# Altium PCB LimeSDR-QPCIe_1v2.PcbDoc (part 8 of 21) (continued)
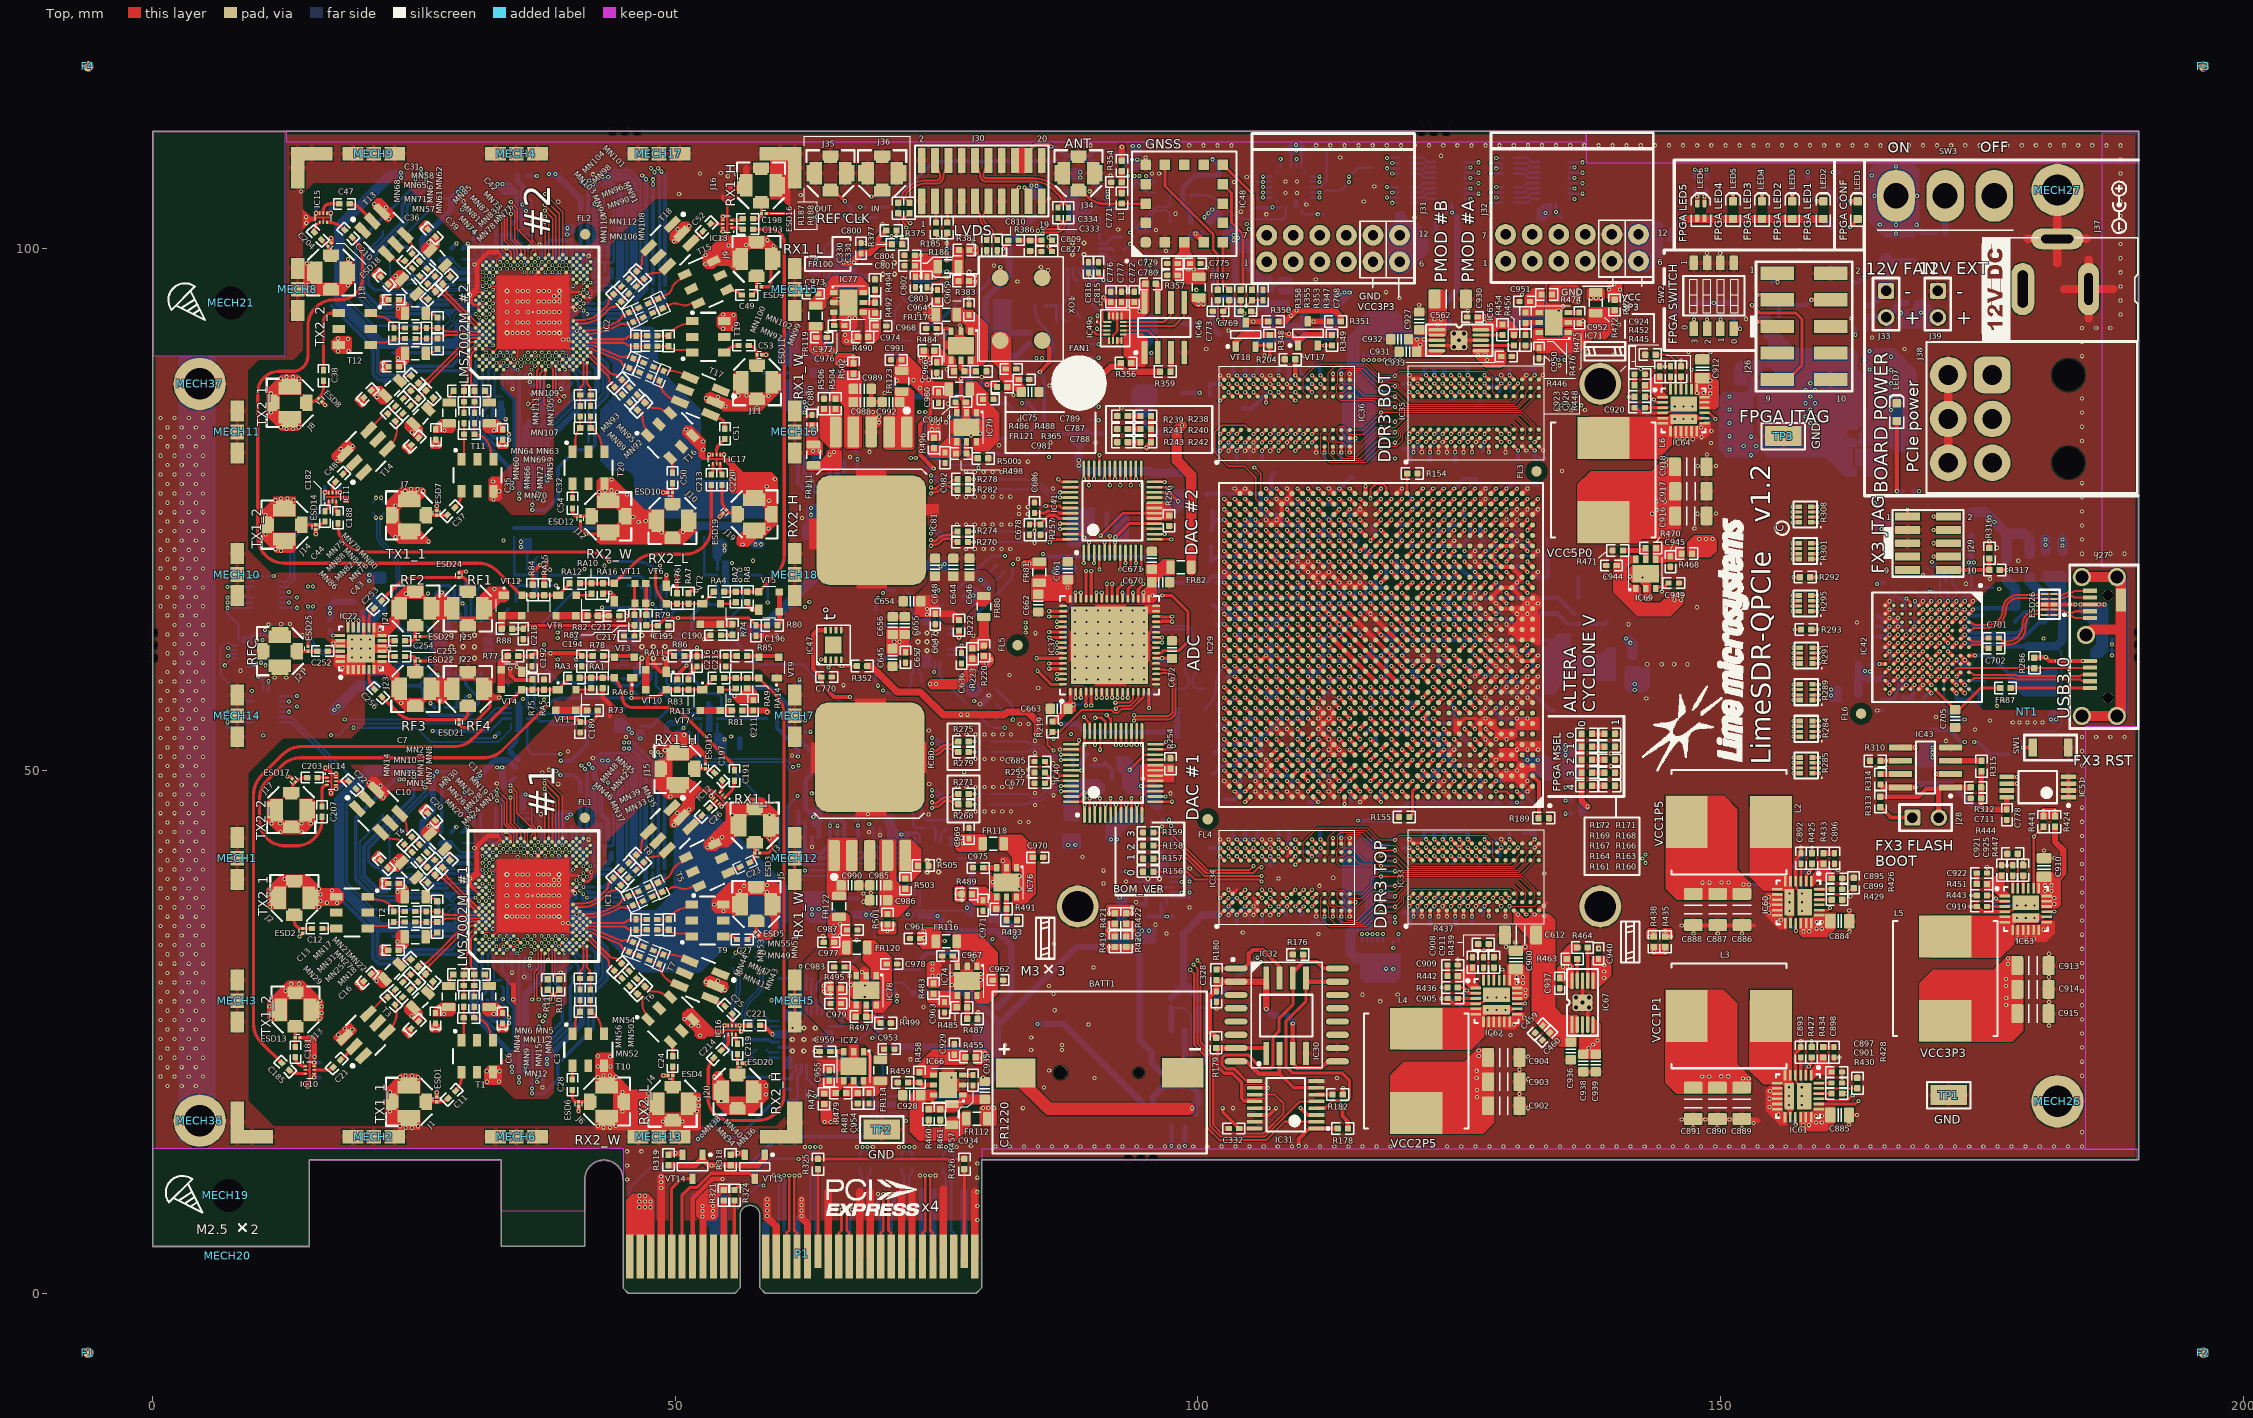
[diagram p0: Top view]
## Nets (pads, with @x,y where several pads share a name; then routed paths per layer and width w, separated by ;. In a path a pad name is that pad's centre, name@x,y a point inside that pad or via, vN(x,y) a via of type N, cw(c..) or ccw(c..) an arc to the next point about the centre after c; other vN are vias at no path point) (continued)
  Top w0.4: v2(126.525,48) IC29.A6@127.025,47.5
  L10 w0.1: v1(117.525,39.875) 119.925,39.875 120.6,40.55 120.6,42.9 120.775,43.075 122.825,43.075 123.075,43.325 123.075,43.57 123.28,43.775 123.75,43.775 123.925,43.95 123.925,44.725 125.01,45.81 125.01,46 125.01,46.026 ccw(c124.706,46.026) 124.706,46.33 124.207,46.33 cw(c124.207,46.634) 123.903,46.634 cw(c124.207,46.634) 124.207,46.938 125.01,46.938 125.813,46.938 ccw(c125.813,47.242) 126.117,47.242 ccw(c125.813,47.242) 125.813,47.546 125.314,47.546 cw(c125.314,47.85) 125.01,47.85 125.01,49.11 125.35,49.45 126.825,49.45 127.175,49.1 127.175,48.175 127,48 v2(126.525,48)
  Bottom w0.254: v1(117.525,39.875) R195.8@118.2,39.875
DDR3_TOP_BA0: IC29.A10 IC33.M2 IC34.M2 R192.8 | length 35.5
  Top w0.309: v1(110.925,37) IC34.M2@111.325,37.4 ; v1(129.025,37.825) IC33.M2@129.425,37.425
  Top w0.4: v2(122.525,48) IC29.A10@123.025,47.5
  L6 w0.1: v1(110.925,37) 111.075,36.85 116.65,36.85 117.425,36.075 118.275,36.075 v1(118.875,35.475) 119.525,35.475 120.659,36.609 127.809,36.609 v1(129.025,37.825) 125.85,41 125.355,41 124.575,41.78 124.575,41.97 124.37,42.175 124.18,42.175 123.875,42.48 123.875,46.65 v2(122.525,48)
  Bottom w0.254: R192.8@118.2,35.475 v1(118.875,35.475) v1@118.9,35.475
DDR3_TOP_BA1: IC29.F15 IC33.N8 IC34.N8 R197.5 | length 57.3
  Top w0.309: v1(111.725,42.6) IC34.N8@112.125,42.2 ; IC33.N8@130.225,42.225 v1(130.625,42.625)
  Top w0.4: v2(117.525,52) IC29.F15@118.025,52.5
  L6 w0.1: v1(111.725,42.6) 111.5,42.375 111.5,40.475 109.775,38.75 109.775,36.855 110.18,36.45 115.625,36.45 v1(117.7,34.375) 118.05,34.025 127.886,34.025 130.625,36.764 v1(130.625,42.625) 130.625,46 128.925,47.7 128.925,48.095 126.47,50.55 119.48,50.55 118.03,52 v2(117.525,52)
  Bottom w0.254: R197.5@117.7,33.7 v1(117.7,34.375) v1@117.7,34.4
DDR3_TOP_BA2: IC29.E15 IC33.M3 IC34.M3 R197.8 | length 47
  Top w0.309: v1(110.925,37.8) IC34.M3@111.325,38.2 ; IC33.M3@129.425,38.225 v1(129.825,37.825)
  Top w0.4: IC29.E15@118.025,51.5 v2(118.525,51)
  L6 w0.1: v1(110.925,37.8) 110.575,37.45 110.575,36.855 110.78,36.65 115.975,36.65 118.25,34.375 v1(119.2,34.375) 120.15,35.325 126.32,35.325 127.405,36.409 127.914,36.409 128.88,37.375 129.375,37.375 v1(129.825,37.825) 129.825,41.5 129.425,41.9 129.425,45.95 127.616,47.759 127.616,48.416 125.683,50.35 119.175,50.35 v2(118.525,51)
  Bottom w0.254: R197.8@119.2,33.7 v1(119.2,34.375) v1@119.2,34.4
DDR3_TOP_CASN: IC29.C9 IC33.K3 IC34.K3 R197.4 | length 46.6
  Top w0.309: IC34.K3@109.725,38.2 v1(110.125,38.6) ; v1(127.425,37.825) IC33.K3@127.825,38.225
  Top w0.4: v2(123.525,50) IC29.C9@124.025,49.5
  L3 w0.1: v1(117.2,34.375) 117.205,34.375 117.555,34.725 124.675,34.725 125.875,35.925 125.875,36.25 126.3,36.675 126.8,36.675 127.05,36.925 127.05,37.45 v1(127.425,37.825)
  L8 w0.1: v1(110.125,38.6) 110.5,38.225 113.35,38.225 v1(117.2,34.375) ; v2(123.525,50) 123.525,49.552 123.925,49.152 123.925,48.45 124.125,48.25 124.125,47.65 125.375,46.4 125.375,41.07 122.275,37.97 122.275,36.88 122.675,36.48 122.675,36.425 122.675,35.914 122.88,35.709 126.604,35.709 127.775,36.88 127.775,37.475 v1(127.425,37.825)
  Bottom w0.254: R197.4@117.2,33.7 v1(117.2,34.375) v1@117.2,34.4
DDR3_TOP_CK_N: IC29.M8 IC33.K7 IC34.K7 R194.2 R199.2 | length 44.1
  Top w0.309: v1(109.325,41) IC34.K7@109.725,41.4 ; v1(127.425,41.825) IC33.K7@127.825,41.425
  Top w0.4: IC29.M8@125.025,58.5 v2(125.525,58)
  L3 w0.1: v2(125.525,58) 125.125,57.6 125.125,53.2 125.775,52.55 126.175,52.15 126.175,50.75 126.35,50.575 127.728,50.575 128.084,50.219 128.084,46.051 127.525,45.492 127.525,43.95 127.825,43.65 127.825,42.225 v1(127.425,41.825)
  L10 w0.1: v1(109.325,41) 109.625,41.3 110.3,41.3 112.691,38.909 112.75,38.85 117.992,38.85 118.417,38.425 124.433,38.425 127.125,41.117 127.125,41.525 v1(127.425,41.825)
  Bottom w0.1: R199.2@108.6,40.9 108.95,40.9 109.05,41 v1(109.325,41) ; v1(127.425,41.825) 127.125,41.525 127.125,40.95 R194.2@127.525,40.55
DDR3_TOP_CK_P: IC29.M9 IC33.J7 IC34.J7 R194.1 R199.1 | length 43.8
  Top w0.309: IC34.J7@108.925,41.4 v1(109.325,41.8) ; v1(126.625,41.825) IC33.J7@127.025,41.425
  Top w0.4: IC29.M9@124.025,58.5 v2(124.525,58)
  L3 w0.1: v2(124.525,58) 124.925,57.6 124.925,53.117 125.975,52.067 125.975,50.667 126.267,50.375 127.645,50.375 127.884,50.136 127.884,46.134 127.325,45.575 127.325,43.95 127.025,43.65 127.025,42.475 126.625,42.075 v1(126.625,41.825)
  L10 w0.1: v1(109.325,41.8) 109.625,41.5 110.383,41.5 112.833,39.05 118.075,39.05 118.5,38.625 124.35,38.625 126.925,41.2 126.925,41.525 v1(126.625,41.825)
  Bottom w0.1: R199.1@108.6,41.9 108.95,41.9 109.05,41.8 v1(109.325,41.8) ; R194.1@126.525,40.55 126.925,40.95 126.925,41.525 v1(126.625,41.825)
DDR3_TOP_CKE: IC29.A18 IC33.K9 IC34.K9 R196.1 | length 33.2
  Top w0.309: v1(109.325,43.4) IC34.K9@109.725,43 ; v1(127.425,43.425) IC33.K9@127.825,43.025
  Top w0.4: v2(114.525,48) IC29.A18@115.025,47.5
  L10 w0.1: v2(114.525,48) 114.525,44.071 115.475,43.121 115.475,41.43 117.38,39.525 117.7,39.525 117.85,39.675 119.225,39.675 119.375,39.525 124.15,39.525 126.275,41.65 126.275,42.77 126.93,43.425 v1(127.425,43.425)
  L8 w0.1: v1(109.325,43.4) 113,47.075 113,48.275 113.225,48.5 114.025,48.5 v2(114.525,48)
  Bottom w0.4: v2(114.525,48) 114.675,47.85 R196.1@114.675,47.025
DDR3_TOP_CSN: IC29.J15 IC33.L2 IC34.L2 R197.7 | length 54.3
  Top w0.309: v1(110.125,37.8) IC34.L2@110.525,37.4 ; IC33.L2@128.625,37.425 v1(129.025,37.025)
  Top w0.4: v2(117.525,56) IC29.J15@118.025,55.5
  L3 w0.1: v1(110.125,37.8) 109.775,37.45 109.775,36.717 112.667,33.825 116.225,33.825 116.425,33.625 118.1,33.625 v1(118.7,33.025) 119.125,33.025 120.1,34 125.391,34 127.041,35.65 127.925,35.65 128.212,35.937 128.212,36.213 v1(129.025,37.025) 129.25,37.025 129.625,36.65 129.945,36.65 130.175,36.88 130.175,37.225 129.975,37.425 129.73,37.425 129.425,37.73 129.425,37.95 126.2,41.175 126.2,42.942 126.375,43.117 126.375,43.85 126.875,44.35 126.875,49.145 123.67,52.35 122.675,52.35 119.625,55.4 118.125,55.4 v2(117.525,56)
  Bottom w0.254: v1(118.7,33.025) R197.7@118.7,33.7
DDR3_TOP_DM0: IC29.B14 IC33.E7 | length 10.4
  Top w0.309: v1(123.425,41.825) IC33.E7@123.825,41.425
  Top w0.4: IC29.B14@119.025,48.5 v2(119.525,49)
  L6 w0.1: v2(119.525,49) 119.1,48.575 119.1,47.7 123.05,43.75 123.05,42.2 v1(123.425,41.825)
DDR3_TOP_DM1: IC29.B19 IC33.D3 | length 19.8
  Top w0.309: v1(122.625,37.825) IC33.D3@123.025,38.225
  Top w0.4: v2(113.525,48) IC29.B19@114.025,48.5
  L3 w0.1: v2(113.525,48) 113.363,47.838 113.363,44.628 114.075,43.916 114.075,39.8 116.75,37.125 117.875,37.125 118.175,37.425 122.225,37.425 v1(122.625,37.825)
DDR3_TOP_DM2: IC29.C24 IC34.E7 | length 11.2
  Top w0.309: v1(105.325,41.8) IC34.E7@105.725,41.4
  Top w0.4: IC29.C24@109.025,49.5 v2(109.525,50)
  L8 w0.1: v1(105.325,41.8) 105.675,42.15 105.675,44.655 108.875,47.855 108.875,49.35 v2(109.525,50)
DDR3_TOP_DM3: IC29.D25 IC34.D3 | length 15.1
  Top w0.309: v1(104.525,37.8) IC34.D3@104.925,38.2
  Top w0.4: IC29.D25@108.025,50.5 v2(108.525,50)
  L8 w0.1: v1(104.525,37.8) 104.95,38.225 104.95,44.213 108.15,47.413 108.15,49.175 108.525,49.55 v2(108.525,50)
DDR3_TOP_DQ0: IC29.C15 IC33.E3 | length 19.8
  Top w0.309: v1(123.425,37.825) IC33.E3@123.825,38.225
  Top w0.4: v2(117.525,50) IC29.C15@118.025,49.5
  L3 w0.1: v2(117.525,50) 117.525,50.35 117.65,50.475 120.545,50.475 122.37,48.65 123.7,48.65 124.025,48.325 124.025,43.8 123.775,43.55 123.775,41.625 123.425,41.275 v1(123.425,37.825)
DDR3_TOP_DQ1: IC29.C16 IC33.F7 | length 19.3
  Top w0.309: v1(124.225,41.825) IC33.F7@124.625,41.425
  Top w0.4: v2(116.525,49) IC29.C16@117.025,49.5
  L6 w0.1: v2(116.525,49) 116.9,48.625 116.9,48.1 116.9,47.99 ccw(c117.094,47.99) 117.094,47.796 cw(c117.094,47.492) 117.398,47.492 cw(c117.094,47.492) 117.094,47.188 116.9,47.188 116.725,47.188 ccw(c116.725,46.884) 116.421,46.884 ccw(c116.725,46.884) 116.725,46.58 116.9,46.58 cw(c116.9,46.276) 117.204,46.276 cw(c116.9,46.276) 116.9,45.972 116.725,45.972 ccw(c116.725,45.668) 116.421,45.668 ccw(c116.725,45.668) 116.725,45.364 ; 116.679,45.364 cw(c116.679,45.143) 116.9,45.143 116.9,45 116.9,44.845 119.225,42.52 119.225,41.85 119.875,41.2 122.733,41.2 123.658,40.275 124.25,40.275 124.5,40.525 124.5,41.55 v1(124.225,41.825)
DDR3_TOP_DQ2: IC29.C11 IC33.F2 | length 19.6
  Top w0.309: v1(124.225,37.025) IC33.F2@124.625,37.425
  Top w0.4: v2(121.525,50) IC29.C11@122.025,49.5
  L3 w0.1: v2(121.525,50) 122.15,49.375 123.645,49.375 124.37,48.65 125,48.65 125.175,48.475 125.175,47.845 125.75,47.27 125.75,44.133 125.417,43.8 124.9,43.8 124.675,43.575 124.675,41.75 126.45,39.975 126.45,39.65 124.675,37.875 124.675,37.475 v1(124.225,37.025)
DDR3_TOP_DQ3: IC29.A13 IC33.F8 | length 19.3
  Top w0.309: v1(124.225,42.625) IC33.F8@124.625,42.225
  Top w0.4: v2(119.525,48) IC29.A13@120.025,47.5
  L6 w0.1: v2(119.525,48) 119.525,48.2 119.975,48.65 124.38,48.65 126.175,46.855 126.175,46.7 126.175,46.19 cw(c125.871,46.19) 125.871,45.886 125.838,45.886 ccw(c125.838,45.582) 125.534,45.582 ccw(c125.838,45.582) 125.838,45.278 126.175,45.278 126.432,45.278 cw(c126.432,44.974) 126.736,44.974 cw(c126.432,44.974) 126.432,44.67 126.175,44.67 125.838,44.67 ccw(c125.838,44.366) 125.534,44.366 ccw(c125.838,44.366) 125.838,44.062 126.175,44.062 126.479,44.062 cw(c126.479,43.758) 126.783,43.758 cw(c126.479,43.758) 126.479,43.454 ccw(c126.479,43.15) 126.175,43.15 126.175,42.48 125.87,42.175 124.675,42.175 v1(124.225,42.625)
DDR3_TOP_DQ4: IC29.D17 IC33.H3 | length 19.3
  Top w0.309: v1(125.825,37.825) IC33.H3@126.225,38.225
  Top w0.4: IC29.D17@116.025,50.5 v2(116.525,50)
  L6 w0.1: v2(116.525,50) 116.175,49.65 116.175,45.287 118.525,42.937 118.525,42.23 119.755,41 122.65,41 v1(125.825,37.825)
DDR3_TOP_DQ5: IC29.E17 IC33.H8 | length 19.7
  Top w0.309: v1(125.825,42.625) IC33.H8@126.225,42.225
  Top w0.4: IC29.E17@116.025,51.5 v2(116.525,52)
  L3 w0.1: v2(116.525,52) 117,51.525 121.3,51.525 121.45,51.375 122.645,51.375 123.445,50.575 123.728,50.575 123.953,50.35 124.67,50.35 126.175,48.845 126.175,47.7 126.175,47.592 ccw(c126.371,47.592) 126.371,47.396 cw(c126.371,47.092) 126.675,47.092 cw(c126.371,47.092) 126.371,46.788 ccw(c126.371,46.592) 126.175,46.592 126.175,45.975 126.175,45.7 126.175,45.091 ccw(c126.371,45.091) 126.371,44.895 cw(c126.371,44.591) 126.675,44.591 cw(c126.371,44.591) 126.371,44.287 ccw(c126.371,44.091) 126.175,44.091 126.175,43.679 126.175,43.375 126.175,43.2 125.825,42.85 v1(125.825,42.625)
DDR3_TOP_DQ6: IC29.D12 IC33.G2 | length 19.7
  Top w0.309: v1(125.025,37.025) IC33.G2@125.425,37.425
  Top w0.4: IC29.D12@121.025,50.5 v2(121.525,51)
  L3 w0.1: v2(121.525,51) 122,51 122.4,50.6 123.125,50.6 123.375,50.35 123.67,50.35 124.37,49.65 124.925,49.65 125.147,49.428 125.147,48.872 125.975,48.045 125.975,44.075 125.425,43.525 125.425,41.375 126.65,40.15 126.65,39.375 125.425,38.15 125.425,37.425 v1(125.025,37.025)
DDR3_TOP_DQ7: IC29.A14 IC33.H7 | length 19.3
  Top w0.309: v1(125.825,41.825) IC33.H7@126.225,41.425
  Top w0.4: v2(118.525,48) IC29.A14@119.025,47.5
  L6 w0.1: v2(118.525,48) 118.525,48.495 119.38,49.35 124.675,49.35 127.025,47 127.025,46.725 cw(c126.721,46.725) 126.721,46.421 ccw(c126.721,46.117) 126.417,46.117 ccw(c126.721,46.117) 126.721,45.813 127.025,45.813 127.37,45.813 cw(c127.37,45.509) 127.674,45.509 cw(c127.37,45.509) 127.37,45.205 127.329,45.205 ccw(c127.329,44.901) 127.025,44.901 127.025,43.85 127.025,42.53 126.77,42.275 126.275,42.275 v1(125.825,41.825)
DDR3_TOP_DQ8: IC29.B17 IC33.D7 | length 19.9
  Top w0.309: v1(122.625,41.825) IC33.D7@123.025,41.425
  Top w0.4: IC29.B17@116.025,48.5 v2(116.525,48)
  L3 w0.1: v2(116.525,48) 116.1,48.425 116.1,49.4 116.35,49.65 118.37,49.65 118.645,49.375 119.655,49.375 122.2,46.83 122.2,42.505 121.97,42.275 121.625,42.275 121.375,42.025 121.375,40.75 121.875,40.25 122.4,40.25 122.825,40.675 122.825,41.625 v1(122.625,41.825)
DDR3_TOP_DQ9: IC29.C17 IC33.C3 | length 19.6
  Top w0.309: v1(121.825,37.825) IC33.C3@122.225,38.225
  Top w0.4: v2(115.525,50) IC29.C17@116.025,49.5
  L3 w0.1: v2(115.525,50) 115.525,49 114.875,48.35 114.875,46.303 116.5,44.678 116.5,42.023 117.298,41.225 117.67,41.225 117.875,41.02 117.875,40.775 118.625,40.025 119.35,40.025 120.275,40.95 120.875,40.95 122.05,39.775 122.05,38.05 v1(121.825,37.825)
DDR3_TOP_DQ10: IC29.A16 IC33.C8 | length 19.7
  Top w0.309: v1(121.825,42.625) IC33.C8@122.225,42.225
  Top w0.4: IC29.A16@117.025,47.5 v1(117.525,47)
  L3 w0.1: v1(117.525,47) 117.225,47 116.875,47.35 116.875,49.275 117.025,49.425 118.025,49.425 118.175,49.275 118.175,48.855 118.38,48.65 119.975,48.65 120.175,48.45 120.175,47.855 120.38,47.65 121.097,47.65 122,46.747 122,46.35 121.475,45.825 121.475,45.4 122,44.875 122,44.4 121.85,44.25 119.7,44.25 119.512,44.062 119.512,43.213 119.75,42.975 121.2,42.975 121.55,42.625 v1(121.825,42.625)
DDR3_TOP_DQ11: IC29.C14 IC33.C2 | length 19.6
  Top w0.309: v1(121.825,37.025) IC33.C2@122.225,37.425
  Top w0.4: v2(118.525,50) IC29.C14@119.025,49.5
  L3 w0.1: v2(118.525,50) 118.875,49.65 120.575,49.65 120.875,49.35 120.875,48.45 120.975,48.35 121.67,48.35 121.95,48.07 121.95,47.475 122.5,46.925 122.5,44.075 123.075,43.5 123.075,40.425 122.675,40.025 122.675,39.375 123.075,38.975 123.075,36.9 122.825,36.65 121.975,36.65 121.825,36.8 v1(121.825,37.025)
DDR3_TOP_DQ12: IC29.F18 IC33.A7 | length 19.7
  Top w0.309: v1(120.225,41.825) IC33.A7@120.625,41.425
  Top w0.4: v2(114.525,53) IC29.F18@115.025,52.5
  L3 w0.1: v2(114.525,53) 114.875,53 115.3,53.425 115.595,53.425 115.875,53.145 115.875,48.855 115.075,48.055 115.075,46.4 116.712,44.762 116.712,42.093 117.381,41.425 117.85,41.425 118.475,40.8 119.7,40.8 120.225,41.325 v1(120.225,41.825)
DDR3_TOP_DQ13: IC29.G18 IC33.A2 | length 19.2
  Top w0.309: v1(120.225,37.025) IC33.A2@120.625,37.425
  Top w0.4: IC29.G18@115.025,53.5 v2(115.525,53)
  L6 w0.1: v2(115.525,53) 115.9,52.625 115.9,45.279 118.325,42.854 118.325,39.02 120.225,37.12 v1(120.225,37.025)
DDR3_TOP_DQ14: IC29.B18 IC33.B8 | length 19.8
  Top w0.309: v1(121.025,42.625) IC33.B8@121.425,42.225
  Top w0.4: IC29.B18@115.025,48.5 v2(115.525,48)
  L3 w0.1: v2(115.525,48) 115.925,48 116.675,47.25 116.675,46.85 116.925,46.6 117.975,46.6 118.275,46.3 118.275,45.8 ccw(c118.579,45.8) 118.579,45.496 120.479,45.496 cw(c120.479,45.192) 120.783,45.192 cw(c120.479,45.192) 120.479,44.888 118.275,44.888 117.604,44.888 ccw(c117.604,44.584) 117.3,44.584 ccw(c117.604,44.584) 117.604,44.28 118.275,44.28 118.617,44.28 cw(c118.617,43.976) 118.921,43.976 cw(c118.617,43.976) 118.617,43.672 118.579,43.672 ccw(c118.579,43.368) 118.275,43.368 118.275,42.525 118.275,41.975 118.575,41.675 119.5,41.675 120,42.175 120.575,42.175 v1(121.025,42.625)
DDR3_TOP_DQ15: IC29.A19 IC33.A3 | length 19.7
  Top w0.309: v1(120.225,37.825) IC33.A3@120.625,38.225
  Top w0.4: v1(114.025,46.793) IC29.A19@114.025,47.5
  L3 w0.1: v1(114.025,46.793) 114.025,45.425 114.6,44.85 115.275,44.85 116.05,44.075 116.05,42.95 116.05,42.282 cw(c115.746,42.282) 115.746,41.978 115.37,41.978 ccw(c115.37,41.674) 115.066,41.674 ccw(c115.37,41.674) 115.37,41.37 116.05,41.37 116.73,41.37 cw(c116.73,41.066) 117.034,41.066 cw(c116.73,41.066) 116.73,40.762 116.05,40.762 115.37,40.762 ccw(c115.37,40.458) 115.066,40.458 ccw(c115.37,40.458) 115.37,40.154 115.746,40.154 cw(c115.746,39.85) 116.05,39.85 116.05,39.455 117.88,37.625 120.025,37.625 v1(120.225,37.825)
DDR3_TOP_DQ16: IC29.D18 IC34.E3 | length 19.7
  Top w0.309: IC34.E3@105.725,38.2 v1(106.125,37.8)
  Top w0.4: v2(114.525,50) IC29.D18@115.025,50.5
  L3 w0.1: v1(106.125,37.8) 106.125,37.305 106.78,36.65 107.07,36.65 107.35,36.93 107.35,37.447 112.375,42.472 112.375,44.5 112.963,45.088 112.963,48.933 113.43,49.4 113.925,49.4 v2(114.525,50)
DDR3_TOP_DQ17: IC29.D19 IC34.F7 | length 19.1
  Top w0.309: v1(106.125,41.8) IC34.F7@106.525,41.4
  Top w0.4: v2(113.525,51) IC29.D19@114.025,50.5
  L6 w0.1: v1(106.125,41.8) 106.525,42.2 107.1,42.2 107.325,42.425 107.325,43.825 107.575,44.075 114.625,44.075 114.875,44.325 114.875,49.155 113.525,50.505 v2(113.525,51)
DDR3_TOP_DQ18: IC29.A21 IC34.F2 | length 19.8
  Top w0.309: IC34.F2@106.525,37.4 v1(106.925,37)
  Top w0.4: v2(111.525,48) IC29.A21@112.025,47.5
  L3 w0.1: v1(106.925,37) 106.925,37.305 108.37,38.75 108.37,39.22 108.628,39.478 109.097,39.478 111.375,41.755 111.375,43.825 111.1,44.1 111.1,44.275 cw(c111.389,44.275) 111.389,44.564 111.702,44.564 ccw(c111.702,44.868) 112.006,44.868 ccw(c111.702,44.868) 111.702,45.172 111.1,45.172 110.698,45.172 cw(c110.698,45.476) 110.394,45.476 cw(c110.698,45.476) 110.698,45.78 111.1,45.78 111.702,45.78 ccw(c111.702,46.084) 112.006,46.084 ccw(c111.702,46.084) 111.702,46.388 111.1,46.388 110.698,46.388 cw(c110.698,46.692) 110.394,46.692 cw(c110.698,46.692) 110.698,46.996 110.796,46.996 ccw(c110.796,47.3) 111.1,47.3 111.1,47.575 v2(111.525,48)
DDR3_TOP_DQ19: IC29.B21 IC34.F8 | length 19.1
  Top w0.309: v1(106.125,42.6) IC34.F8@106.525,42.2
  Top w0.4: v2(111.525,49) IC29.B21@112.025,48.5
  L6 w0.1: v1(106.125,42.6) 106.125,42.875 105.725,43.275 105.725,43.825 106.375,44.475 114.067,44.475 114.425,44.833 114.425,46.175 114.238,46.362 113.888,46.362 113.675,46.575 113.675,47.345 113.925,47.595 113.925,48.105 112.43,49.6 111.925,49.6 111.525,49.2 v2(111.525,49)
DDR3_TOP_DQ20: IC29.E18 IC34.H3 | length 19.8
  Top w0.309: IC34.H3@108.125,38.2 v1(108.525,37.8)
  Top w0.4: v2(114.525,52) IC29.E18@115.025,51.5
  L3 w0.1: v1(108.525,37.8) 108.8,37.525 109.25,37.525 109.675,37.95 109.675,38.925 112.575,41.825 112.575,44.417 113.163,45.005 113.163,48.143 114.875,49.855 114.875,50.575 114.725,50.725 114.225,50.725 114,50.95 114,51.475 v2(114.525,52)
DDR3_TOP_DQ21: IC29.F19 IC34.H8 | length 19.9
  Top w0.309: v1(107.725,42.6) IC34.H8@108.125,42.2
  Top w0.4: v2(113.525,53) IC29.F19@114.025,52.5
  L3 w0.1: v1(107.725,42.6) 107.325,43 107.325,44.075 ccw(c107.021,44.075) 107.021,44.379 106.738,44.379 cw(c106.738,44.683) 106.434,44.683 cw(c106.738,44.683) 106.738,44.987 107.325,44.987 107.912,44.987 ccw(c107.912,45.291) 108.216,45.291 ccw(c107.912,45.291) 107.912,45.595 107.629,45.595 cw(c107.629,45.899) 107.325,45.899 107.325,46.325 107.325,47.022 108.075,47.772 108.075,47.975 108.075,49.045 108.455,49.425 112.65,49.425 112.925,49.7 112.925,52.75 113.175,53 v2(113.525,53)
DDR3_TOP_DQ22: IC29.B23 IC34.G2 | length 19.6
  Top w0.309: v1(106.925,37.8) IC34.G2@107.325,37.4
  Top w0.4: v2(109.525,49) IC29.B23@110.025,48.5
  L3 w0.1: v1(106.925,37.8) 107.05,37.8 107.875,38.625 107.875,38.875 107.725,39.025 105.6,39.025 105.412,39.212 105.412,39.937 105.775,40.3 109.625,40.3 110.125,40.8 110.125,48.4 v2@109.55,48.975
DDR3_TOP_DQ23: IC29.B24 IC34.H7 | length 19.8
  Top w0.309: v1(107.725,41.8) IC34.H7@108.125,41.4
  Top w0.4: v2(108.525,49) IC29.B24@109.025,48.5
  L3 w0.1: v1(107.725,41.8) 107.5,41.8 107.075,41.375 107.075,40.975 107.55,40.5 108.65,40.5 108.975,40.825 108.975,43.65 ccw(c108.671,43.65) 108.671,43.954 108.549,43.954 cw(c108.549,44.258) 108.245,44.258 cw(c108.549,44.258) 108.549,44.562 108.975,44.562 109.396,44.562 ccw(c109.396,44.866) 109.7,44.866 ccw(c109.396,44.866) 109.396,45.17 108.975,45.17 108.699,45.17 cw(c108.699,45.474) 108.395,45.474 cw(c108.699,45.474) 108.699,45.778 108.975,45.778 109.396,45.778 ccw(c109.396,46.082) 109.7,46.082 ccw(c109.396,46.082) 109.396,46.386 108.975,46.386 108.549,46.386 cw(c108.549,46.69) 108.245,46.69 cw(c108.549,46.69) 108.549,46.994 108.975,46.994 109.396,46.994 ccw(c109.396,47.298) 109.7,47.298 ccw(c109.396,47.298) 109.396,47.602 109.279,47.602 cw(c109.279,47.906) 108.975,47.906 108.975,48.3 108.975,48.825 108.825,48.975 v2@108.55,48.975
DDR3_TOP_DQ24: IC29.C19 IC34.D7 | length 19.1
  Top w0.309: v1(104.525,41.8) IC34.D7@104.925,41.4
  Top w0.4: v2(113.525,50) IC29.C19@114.025,49.5
  L6 w0.1: v1(104.525,41.8) 104.975,42.25 106.27,42.25 106.575,42.555 106.575,43.925 106.925,44.275 114.15,44.275 114.625,44.75 114.625,47 114.125,47.5 114.125,49.4 v2(113.525,50)
DDR3_TOP_DQ25: IC29.D20 IC34.C3 | length 19.7
  Top w0.309: IC34.C3@104.125,38.2 v1(104.525,38.6)
  Top w0.4: v2(112.525,50) IC29.D20@113.025,50.5
  L3 w0.1: v1(104.525,38.6) 104.925,39 104.925,39.35 ccw(c104.621,39.35) 104.621,39.654 104.433,39.654 cw(c104.433,39.958) 104.129,39.958 cw(c104.433,39.958) 104.433,40.262 104.621,40.262 ccw(c104.621,40.566) 104.925,40.566 104.925,41.375 104.925,43.575 104.475,44.025 104.475,44.455 107.875,47.855 107.875,49.25 108.275,49.65 112.175,49.65 v2(112.525,50)
DDR3_TOP_DQ26: IC29.A25 IC34.C8 | length 19.1
  Top w0.309: v1(103.725,42.6) IC34.C8@104.125,42.2
  Top w0.4: v2(107.525,48) IC29.A25@108.025,47.5
  L6 w0.1: v1(103.725,42.6) 103.725,42.35 103.3,41.925 103.3,40.6 102.85,40.15 102,40.15 101.413,40.737 101.413,43.563 102.925,45.075 107.05,45.075 108.538,46.563 108.538,47.412 107.95,48 v2(107.525,48)
DDR3_TOP_DQ27: IC29.D22 IC34.C2 | length 19.7
  Top w0.309: v1(103.725,37.8) IC34.C2@104.125,37.4
  Top w0.4: v2(110.525,51) IC29.D22@111.025,50.5
  L3 w0.1: v1(103.725,37.8) 103.3,38.225 103.3,39.075 ccw(c102.996,39.075) 102.996,39.379 102.904,39.379 cw(c102.904,39.683) 102.6,39.683 cw(c102.904,39.683) 102.904,39.987 102.996,39.987 ccw(c102.996,40.291) 103.3,40.291 103.3,41.025 103.3,43.6 107.175,47.475 107.175,49.145 107.38,49.35 107.653,49.35 108.175,49.872 108.175,50.4 108.375,50.6 110.125,50.6 v2(110.525,51)
DDR3_TOP_DQ28: IC29.C20 IC34.A7 | length 19.2
  Top w0.309: v1(102.125,41.8) IC34.A7@102.525,41.4
  Top w0.4: IC29.C20@113.025,49.5 v2(113.525,49)
  L6 w0.1: v1(102.125,41.8) 102.125,42.105 102.525,42.505 102.525,43.55 103.85,44.875 107.133,44.875 110.175,47.917 110.175,50.145 110.38,50.35 112.67,50.35 112.925,50.095 112.925,49.6 v2(113.525,49)
DDR3_TOP_DQ29: IC29.C21 IC34.A2 | length 19
  Top w0.309: IC34.A2@102.525,37.4 v1(102.925,37.8)
  Top w0.4: v2(111.525,50) IC29.C21@112.025,49.5
  L6 w0.1: v1(102.925,37.8) 104.075,38.95 104.075,43.445 105.305,44.675 108.625,44.675 111.1,47.15 111.1,49.1 111.525,49.525 v2(111.525,50)
DDR3_TOP_DQ30: IC29.D23 IC34.B8 | length 19.7
  Top w0.309: v1(102.925,42.6) IC34.B8@103.325,42.2
  Top w0.4: v2(109.525,51) IC29.D23@110.025,50.5
  L3 w0.1: v1(102.925,42.6) 102.55,42.975 102.55,43.725 ccw(c102.246,43.725) 102.246,44.029 102.094,44.029 cw(c102.094,44.333) 101.79,44.333 cw(c102.094,44.333) 102.094,44.637 102.55,44.637 103.19,44.637 ccw(c103.19,44.941) 103.494,44.941 ccw(c103.19,44.941) 103.19,45.245 102.55,45.245 102.094,45.245 cw(c102.094,45.549) 101.79,45.549 cw(c102.094,45.549) 102.094,45.853 102.246,45.853 ccw(c102.246,46.157) 102.55,46.157 102.55,46.675 102.55,47.45 102.75,47.65 105.67,47.65 106.95,48.93 106.95,49.275 107.325,49.65 107.67,49.65 107.975,49.955 107.975,50.945 108.38,51.35 109.175,51.35 v2@109.55,50.975
DDR3_TOP_DQ31: IC29.C25 IC34.A3 | length 19.8
  Top w0.309: v1(102.125,37.8) IC34.A3@102.525,38.2
  Top w0.4: v2(107.525,50) IC29.C25@108.025,49.5
  L3 w0.1: v1(102.125,37.8) 101.775,37.8 101.275,38.3 101.275,38.725 101.55,39 101.55,46.025 101.55,46.359 cw(c101.854,46.359) 101.854,46.663 101.937,46.663 ccw(c101.937,46.967) 102.241,46.967 ccw(c101.937,46.967) 101.937,47.271 101.854,47.271 cw(c101.854,47.575) 101.55,47.575 101.55,47.942 101.958,48.35 105.375,48.35 107.025,50 v2(107.525,50)
DDR3_TOP_DQS0_N: IC29.J17 IC33.G3 | length 34
  Top w0.309: v1(125.025,37.825) IC33.G3@125.425,38.225
  Top w0.4: v2(115.525,56) IC29.J17@116.025,55.5
  L8 w0.1: v2(115.525,56) 115.525,56.275 115.4,56.4 115.2,56.4 115.075,56.275 115.075,54.875 115.4,54.55 123.753,54.55 124.125,54.178 124.125,52.8 124.375,52.55 125.833,52.55 126.105,52.278 126.105,51.147 126.1,51.142 126.1,47.533 127.65,45.983 127.65,44.225 128.35,43.525 128.35,41.367 128.008,41.025 127.05,41.025 124.725,38.7 124.725,38.125 v1(125.025,37.825)
DDR3_TOP_DQS0_P: IC29.K17 IC33.F3 | length 34.3
  Top w0.309: v1(124.225,37.825) IC33.F3@124.625,38.225
  Top w0.4: v2(115.525,57) IC29.K17@116.025,56.5
  L8 w0.1: v2(115.525,57) 115.525,56.725 115.4,56.6 115.117,56.6 114.875,56.358 114.875,54.792 115.317,54.35 123.67,54.35 123.925,54.095 123.925,52.717 124.292,52.35 125.75,52.35 125.905,52.195 125.905,51.23 125.9,51.225 125.9,47.45 127.45,45.9 127.45,44.142 128.15,43.442 128.15,41.45 127.925,41.225 126.967,41.225 124.525,38.783 124.525,38.125 v1(124.225,37.825)
DDR3_TOP_DQS1_N: IC29.L16 IC33.B7 | length 36.7
  Top w0.309: v1(121.025,41.825) IC33.B7@121.425,41.425
  Top w0.4: v2(116.525,58) IC29.L16@117.025,57.5
  L10 w0.1: v2(116.525,58) 116.925,57.6 123.703,57.6 124.075,57.228 124.075,55.808 124.525,55.358 124.525,54.505 125.405,53.625 128.775,53.625 129.1,53.3 129.1,47.117 127.433,45.45 125.708,45.45 124.325,44.067 124.325,43.82 124.575,43.57 124.575,41.68 124.325,41.43 124.325,41.042 123.983,40.7 121.792,40.7 121.325,41.167 121.325,41.525 v1(121.025,41.825)
DDR3_TOP_DQS1_P: IC29.K16 IC33.C7 | length 35.7
  Top w0.309: v1(121.825,41.825) IC33.C7@122.225,41.425
  Top w0.4: v2(116.525,57) IC29.K16@117.025,56.5
  L10 w0.1: v2(116.525,57) 116.925,57.4 123.62,57.4 123.875,57.145 123.875,55.725 124.325,55.275 124.325,54.422 125.322,53.425 128.692,53.425 128.9,53.217 128.9,47.2 127.35,45.65 125.625,45.65 124.125,44.15 124.125,43.82 123.875,43.57 123.875,41.68 124.125,41.43 124.125,41.125 123.9,40.9 121.875,40.9 121.525,41.25 121.525,41.525 v1(121.825,41.825)
DDR3_TOP_DQS2_N: IC29.K18 IC34.G3 | length 41.3
  Top w0.309: v1(106.925,38.6) IC34.G3@107.325,38.2
  Top w0.4: v2(114.525,57) IC29.K18@115.025,56.5
  L3 w0.1: v1(106.925,38.6) 106.475,38.15 105.98,38.15 105.7,37.87 105.7,36.075 105.6,35.975 105.595,35.975 105.22,35.6 101.947,35.6 100.5,37.047 100.5,47.475 102.375,49.35 104.38,49.35 113.455,58.425 114.595,58.425 114.875,58.145 114.875,57.35 v2(114.525,57)
DDR3_TOP_DQS2_P: IC29.L18 IC34.F3 | length 39.2
  Top w0.309: v1(106.125,38.6) IC34.F3@106.525,38.2
  Top w0.4: v2(114.525,58) IC29.L18@115.025,57.5
  L3 w0.1: v1(106.125,38.6) 105.975,38.75 105.275,38.75 104.95,38.425 104.95,36.1 104.65,35.8 102.03,35.8 100.7,37.13 100.7,45.55 100.7,45.605 100.7,45.909 cw(c101.004,45.909) 101.004,46.213 101.062,46.213 ccw(c101.062,46.517) 101.366,46.517 ccw(c101.062,46.517) 101.062,46.821 101.004,46.821 cw(c101.004,47.125) 100.7,47.125 100.7,47.375 101.875,48.55 103.675,48.55 104.275,49.15 104.625,49.15 105.078,49.603 105.622,49.603 113.37,57.35 113.875,57.35 v2(114.525,58)
DDR3_TOP_DQS3_N: IC29.J19 IC34.B7 | length 27.3
  Top w0.309: v1(102.925,41.8) IC34.B7@103.325,41.4
  Top w0.4: IC29.J19@114.025,55.5 v2(114.525,55)
  L8 w0.1: v1(102.925,41.8) 103.225,41.5 103.225,41 102.975,40.75 102,40.75 101.775,40.975 101.775,43.545 101.98,43.75 101.983,43.75 104.558,46.325 106.233,46.325 107.175,47.267 107.175,48.875 107.175,49.145 107.48,49.45 107.758,49.45 108.175,49.867 108.175,50.145 108.43,50.4 112.708,50.4 113.075,50.767 113.075,54.409 113.316,54.65 113.67,54.65 114.02,55 v2(114.525,55)
DDR3_TOP_DQS3_P: IC29.K20 IC34.C7 | length 28.1
  Top w0.309: v1(103.725,41.8) IC34.C7@104.125,41.4
  Top w0.4: IC29.K20@113.025,56.5 v2(113.525,56)
  L8 w0.1: v1(103.725,41.8) 103.425,41.5 103.425,40.917 103.058,40.55 101.917,40.55 101.575,40.892 101.575,43.628 101.897,43.95 101.9,43.95 104.475,46.525 106.15,46.525 106.975,47.35 106.975,48.958 106.975,49.228 107.397,49.65 107.675,49.65 107.975,49.95 107.975,50.228 108.347,50.6 112.625,50.6 112.875,50.85 112.875,54.491 113.175,54.791 113.175,55.145 113.525,55.495 v2(113.525,56)
DDR3_TOP_ODT: IC29.B13 IC33.K1 IC34.K1 R197.2 | length 44.4
  Top w0.309: IC34.K1@109.725,36.6 v1(110.125,37) ; v1(127.825,36.059) IC33.K1@127.825,36.625
  Top w0.4: IC29.B13@120.025,48.5 v2(120.525,49)
  L3 w0.1: v1(110.125,37) 110.125,36.65 112.75,34.025 115.845,34.025 116.195,34.375 v1(116.2,34.375) 116.205,34.375 116.755,33.825 117.428,33.825 119.642,33.825 120.017,34.2 125.308,34.2 127.167,36.059 v1(127.825,36.059)
  L10 w0.1: v1(110.125,37) 108.95,38.175 108.95,43.625 112.9,47.575 113.605,47.575 113.875,47.845 113.875,48.2 114.325,48.65 114.775,48.65 115.475,49.35 120.175,49.35 v2(120.525,49)
  Bottom w0.254: R197.2@116.2,33.7 v1(116.2,34.375) v1@116.2,34.4